# Altium PCB Evaluation Board.PcbDoc (part 20 of 22) (continued)
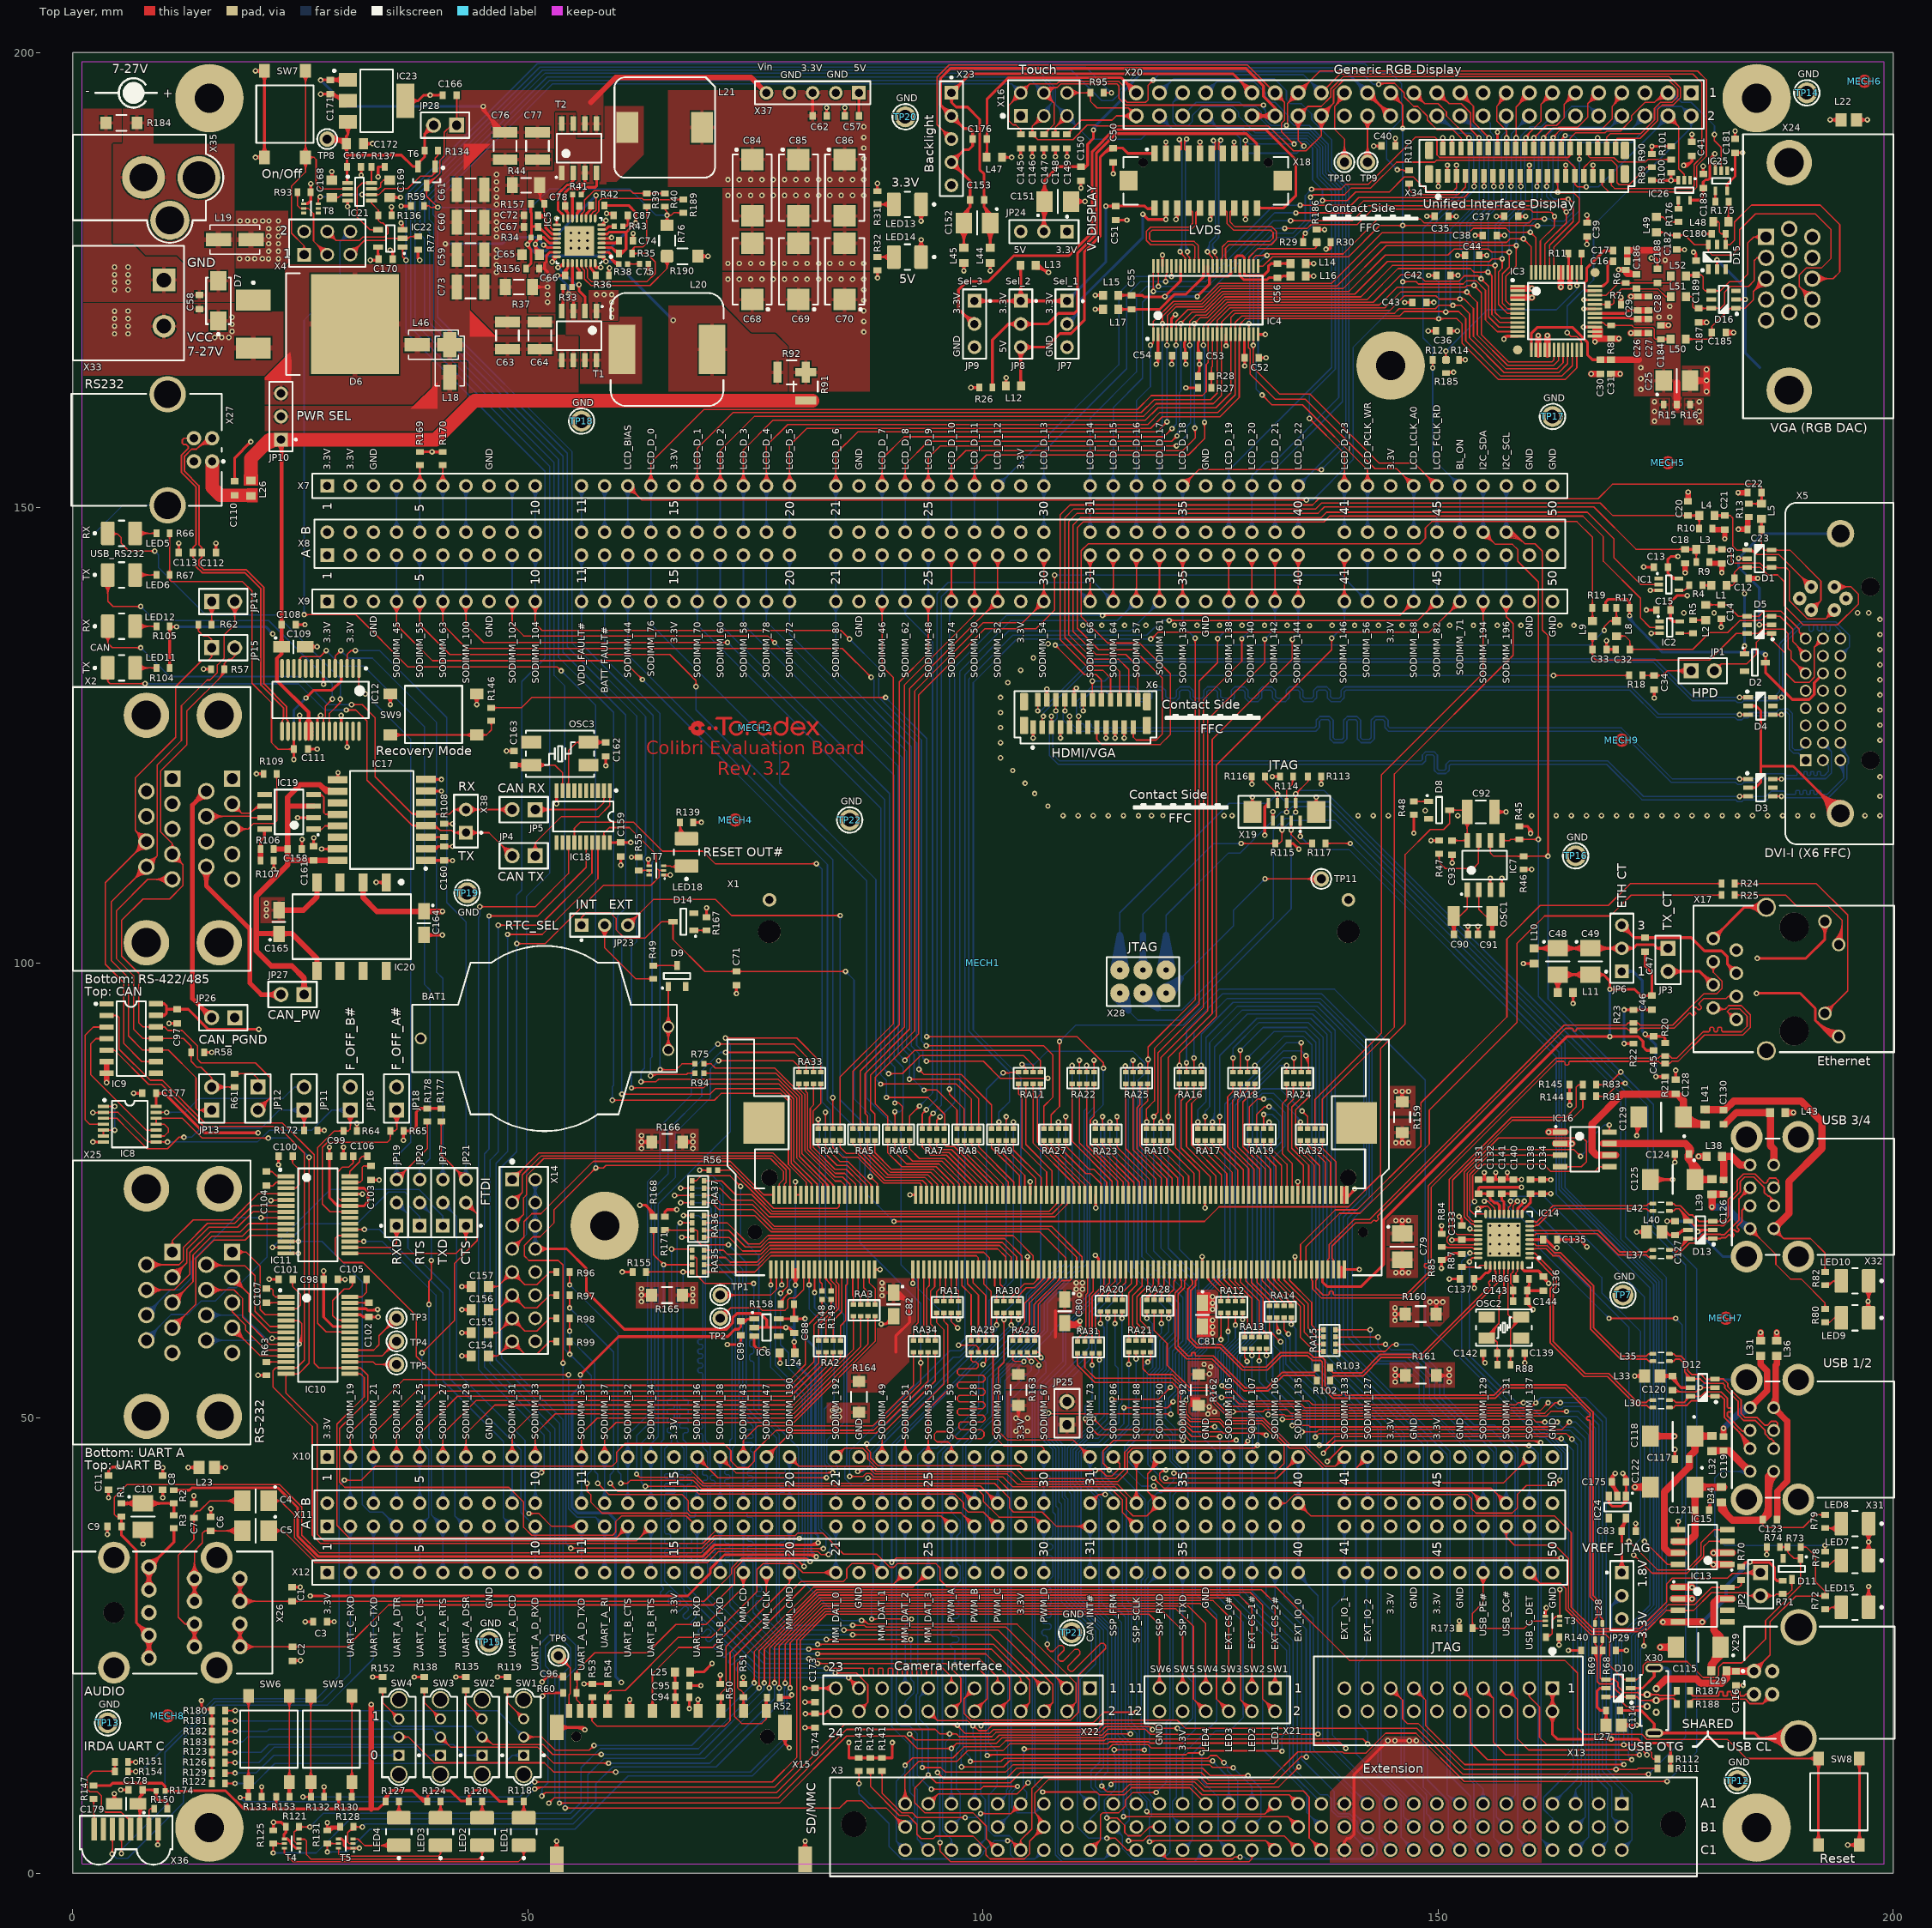
[diagram p0: Top Layer view]
## Nets (pads, with @x,y where several pads share a name; then routed paths per layer and width w, separated by ;. In a path a pad name is that pad's centre, name@x,y a point inside that pad or via, vN(x,y) a via of type N, cw(c..) or ccw(c..) an arc to the next point about the centre after c; other vN are vias at no path point) (continued)
  Top Layer w0.15: v1@5.166,2.309 ccw(c4.741,2.734) 5.342,2.734 ; X36.4@5.183,3.717 cw(c4.799,3.333) 5.342,3.333 cw(c5.885,3.333) X36.4@5.501,3.717 ; v1(5.325,2.15) 5.342,2.167 X36.4@5.342,4.826 ; 5.342,2.652 ccw(c5.827,2.652) v1@5.484,2.309
  Bottom Layer w0.15: v1@5.196,2.334 ccw(c5.022,2.583) 5.325,2.583 ; v1(5.325,2.15) 5.325,2.583 ; v1@5.454,2.334 cw(c5.628,2.583) 5.325,2.583 ; X12.2@30.003,32.543 cw(c28.85,31.39) 30.48,31.39 cw(c32.11,31.39) X12.2@30.957,32.543 ; X12.2@30.003,33.497 ccw(c28.85,34.65) 30.48,34.65 ccw(c32.11,34.65) X12.2@30.957,33.497 ; X11.A2@30.003,37.623 cw(c28.85,36.47) 30.48,36.47 cw(c32.11,36.47) X11.A2@30.957,37.623 ; X12.2@30.109,32.649 cw(c29.213,31.753) 30.48,31.753 cw(c31.747,31.753) X12.2@30.851,32.649 ; X12.2@30.109,33.391 ccw(c29.213,34.287) 30.48,34.287 ccw(c31.747,34.287) X12.2@30.851,33.391 ; X11.A2@30.109,37.729 cw(c29.213,36.833) 30.48,36.833 cw(c31.747,36.833) X11.A2@30.851,37.729 ; X12.2@30.215,32.755 cw(c29.575,32.115) 30.48,32.115 cw(c31.385,32.115) X12.2@30.745,32.755 ; X12.2@30.215,33.285 ccw(c29.575,33.925) 30.48,33.925 ccw(c31.385,33.925) X12.2@30.745,33.285 ; X11.A2@30.215,37.835 cw(c29.575,37.195) 30.48,37.195 cw(c31.385,37.195) X11.A2@30.745,37.835 ; X11.A2@30.48,38.1 X12.2@30.48,33.02 30.48,21.98 27.35,18.85 15.675,18.85 10.1,13.275 10.1,7.358 5.325,2.583
UART_C_TXD: X11.A3 X12.3 X36.3 | length 79.9
  Top Layer w0.15: v1@4.141,2.259 ccw(c3.655,2.745) 4.342,2.745 ; X36.3@4.183,3.717 cw(c3.799,3.333) 4.342,3.333 cw(c4.885,3.333) X36.3@4.501,3.717 ; v1(4.3,2.1) 4.342,2.142 X36.3@4.342,4.826 ; 4.342,2.542 ccw(c4.742,2.542) v1@4.459,2.259
  Bottom Layer w0.15: v1@4.3,1.875 cw(c4.3,1.332) 4.684,1.716 cw(c5.068,2.1) v1@4.525,2.1 ; v1(4.3,2.1) 4.775,1.625 6.004,1.625 12.125,7.746 12.125,14.801 15.799,18.475 27.95,18.475 33.02,23.545 X12.3@33.02,33.02 X11.A3@33.02,38.1 ; X12.3@32.543,32.543 cw(c31.39,31.39) 33.02,31.39 cw(c34.65,31.39) X12.3@33.497,32.543 ; X12.3@32.543,33.497 ccw(c31.39,34.65) 33.02,34.65 ccw(c34.65,34.65) X12.3@33.497,33.497 ; X11.A3@32.543,37.623 cw(c31.39,36.47) 33.02,36.47 cw(c34.65,36.47) X11.A3@33.497,37.623 ; X12.3@32.649,32.649 cw(c31.753,31.753) 33.02,31.753 cw(c34.287,31.753) X12.3@33.391,32.649 ; X12.3@32.649,33.391 ccw(c31.753,34.287) 33.02,34.287 ccw(c34.287,34.287) X12.3@33.391,33.391 ; X11.A3@32.649,37.729 cw(c31.753,36.833) 33.02,36.833 cw(c34.287,36.833) X11.A3@33.391,37.729 ; X12.3@32.755,32.755 cw(c32.115,32.115) 33.02,32.115 cw(c33.925,32.115) X12.3@33.285,32.755 ; X12.3@32.755,33.285 ccw(c32.115,33.925) 33.02,33.925 ccw(c33.925,33.925) X12.3@33.285,33.285 ; X11.A3@32.755,37.835 cw(c32.115,37.195) 33.02,37.195 cw(c33.925,37.195) X11.A3@33.285,37.835
UART_U_DCD: IC10.19 TP3.1 | length 14.9
  Top Layer w0.15: IC10.19@30.419,57.456 33.047,57.456 33.63,58.039 33.63,59.03 TP3.1@35.56,60.96 ; IC10.19@31.225,57.35 cw(c31.481,57.094) 31.481,57.456 cw(c31.481,57.818) IC10.19@31.225,57.562 ; TP3.1@34.785,60.96 cw(c32.914,60.96) 34.237,59.637 cw(c35.56,58.314) TP3.1@35.56,60.185 ; TP3.1@34.935,60.96 cw(c33.426,60.96) 34.493,59.893 cw(c35.56,58.826) TP3.1@35.56,60.335 ; TP3.1@35.085,60.96 cw(c33.938,60.96) 34.749,60.149 cw(c35.56,59.338) TP3.1@35.56,60.485
UART_U_DSR: IC10.17 TP5.1 | length 12.9
  Top Layer w0.15: IC10.17@30.419,56.156 32.998,56.156 33.274,55.88 TP5.1@35.56,55.88 ; IC10.17@31.225,56.05 cw(c31.481,55.794) 31.481,56.156 cw(c31.481,56.518) IC10.17@31.225,56.262 ; TP5.1@35.012,55.332 ccw(c33.689,54.009) 33.689,55.88 ccw(c33.689,57.751) TP5.1@35.012,56.428 ; TP5.1@35.118,55.438 ccw(c34.051,54.371) 34.051,55.88 ccw(c34.051,57.389) TP5.1@35.118,56.322 ; TP5.1@35.224,55.544 ccw(c34.413,54.733) 34.413,55.88 ccw(c34.413,57.027) TP5.1@35.224,56.216
UART_U_RI: IC10.18 TP4.1 | length 13.5
  Top Layer w0.15: IC10.18@30.419,56.806 33.946,56.806 TP4.1@35.56,58.42 ; IC10.18@31.225,56.7 cw(c31.481,56.444) 31.481,56.806 cw(c31.481,57.168) IC10.18@31.225,56.912 ; TP4.1@34.785,58.42 cw(c32.914,58.42) 34.237,57.097 cw(c35.56,55.774) TP4.1@35.56,57.645 ; TP4.1@34.935,58.42 cw(c33.426,58.42) 34.493,57.353 cw(c35.56,56.286) TP4.1@35.56,57.795 ; TP4.1@35.085,58.42 cw(c33.938,58.42) 34.749,57.609 cw(c35.56,56.798) TP4.1@35.56,57.945
UART_USB_CTS: IC12.3 JP21.3 R177.1 | length 89.8
  Top Layer w0.15: IC12.3@30.037,133.285 ccw(c29.824,133.498) 30.125,133.498 ccw(c30.427,133.498) IC12.3@30.214,133.285 ; IC12.3@30.125,132.346 30.125,133.884 30.554,134.313 ; v1@30.867,134.167 ccw(c30.554,133.902) 30.554,134.313 ; v1@30.867,134.458 cw(c30.554,134.723) 30.554,134.313 ; v1(31.039,134.313) 30.554,134.313 ; R177.1@40.285,82.385 cw(c39.859,81.958) 40.462,81.958 cw(c41.066,81.958) R177.1@40.639,82.385 ; R177.1@40.462,82.562 40.462,78.918 JP21.3@43.18,76.2 ; JP21.3@42.505,76.2 ccw(c40.875,76.2) 42.028,77.352 ccw(c43.18,78.505) JP21.3@43.18,76.875 ; JP21.3@42.655,76.2 ccw(c41.388,76.2) 42.284,77.096 ccw(c43.18,77.992) JP21.3@43.18,76.725 ; JP21.3@42.805,76.2 ccw(c41.9,76.2) 42.54,76.84 ccw(c43.18,77.48) JP21.3@43.18,76.575
  Bottom Layer w0.15: v1(31.039,134.313) 33.708,134.313 41.072,126.949 41.072,106.629 43.18,104.521 JP21.3@43.18,76.2 ; v1@31.198,134.153 cw(c31.582,133.769) 31.582,134.313 cw(c31.582,134.856) v1@31.198,134.472 ; JP21.3@42.703,76.677 ccw(c41.55,77.83) 43.18,77.83 ccw(c44.81,77.83) JP21.3@43.657,76.677 ; JP21.3@42.809,76.571 ccw(c41.913,77.467) 43.18,77.467 ccw(c44.447,77.467) JP21.3@43.551,76.571 ; JP21.3@42.915,76.465 ccw(c42.275,77.105) 43.18,77.105 ccw(c44.085,77.105) JP21.3@43.445,76.465
UART_USB_LED_RX: IC12.23 LED5.K | length 45.1
  Top Layer w0.15: LED5.K@3.834,147.187 3.896,147.125 4.9,147.125 ; LED5.K@4.288,146.923 cw(c4.639,146.719) 4.639,147.125 ; LED5.K@4.325,147.372 ccw(c4.683,147.507) 4.683,147.125 ; LED5.K@4.417,146.847 cw(c4.9,146.567) 4.9,147.125 ; LED5.K@4.465,147.425 ccw(c4.9,147.589) 4.9,147.125 ; v1@8.833,145.078 ccw(c8.448,144.694) 8.448,145.237 ccw(c8.448,145.78) v1@8.833,145.396 ; v1(8.992,145.237) 6.163,145.237 5.3,146.1 5.3,146.725 4.9,147.125 ; IC12.23@28.087,126.385 ccw(c27.874,126.598) 28.175,126.598 ccw(c28.477,126.598) IC12.23@28.264,126.385 ; IC12.23@28.175,125.446 28.175,127.4 29.375,128.6 ; v2@29.269,128.776 cw(c29.175,128.6) 29.375,128.6 ; v2(29.375,128.975) 29.375,128.6 ; v2@29.481,128.776 ccw(c29.575,128.6) 29.375,128.6
  Bottom Layer w0.15: v1@8.992,145.012 cw(c8.992,144.469) 9.376,144.853 cw(c9.76,145.237) v1@9.217,145.237 ; v1(8.992,145.237) 9.398,144.831 9.398,143.427 14.625,138.2 22.4,138.2 29.375,131.225 v2(29.375,128.975) ; v2@29.216,129.134 ccw(c28.832,129.518) 29.375,129.518 ccw(c29.918,129.518) v2@29.534,129.134
UART_USB_LED_TX: IC12.22 LED6.K | length 46.8
  Top Layer w0.15: LED6.K@3.357,141.588 cw(c2.204,140.435) 3.834,140.435 cw(c5.464,140.435) LED6.K@4.311,141.588 ; LED6.K@3.463,141.694 cw(c2.566,140.797) 3.834,140.797 cw(c5.101,140.797) LED6.K@4.205,141.694 ; LED6.K@3.569,141.8 cw(c2.929,141.159) 3.834,141.159 cw(c4.739,141.16) LED6.K@4.099,141.8 ; LED6.K@3.834,142.615 3.834,139.716 4.4,139.15 v1(7.45,139.15) ; v1@7.291,138.991 ccw(c6.907,138.607) 6.907,139.15 ccw(c6.907,139.693) v1@7.291,139.309 ; IC12.22@27.437,126.385 ccw(c27.224,126.598) 27.525,126.598 ccw(c27.827,126.598) IC12.22@27.614,126.385 ; IC12.22@27.525,125.446 27.525,126.752 27.751,126.977 27.751,128.226 v2(28.5,128.975) ; v2@28.275,128.975 cw(c27.732,128.975) 28.116,128.591 cw(c28.5,128.207) v2@28.5,128.75
  Bottom Layer w0.15: v1@7.45,138.925 cw(c7.45,138.382) 7.834,138.766 cw(c8.218,139.15) v1@7.675,139.15 ; v1(7.45,139.15) 9,137.6 21.525,137.6 28.5,130.625 v2(28.5,128.975) ; v2@28.341,129.134 ccw(c27.957,129.518) 28.5,129.518 ccw(c29.043,129.518) v2@28.659,129.134
UART_USB_RTS: IC12.11 JP20.3 | length 74.5
  Top Layer w0.15: IC12.11@24.846,133.293 ccw(c24.711,133.46) 24.925,133.46 ; IC12.11@24.902,133.187 cw(c25.163,133.297) 24.963,133.497 ; IC12.11@24.925,132.346 24.925,133.46 ; IC12.11@25.004,133.293 cw(c25.14,133.46) 24.925,133.46 ; IC12.11@25.041,133.245 cw(c25.385,133.391) 25.121,133.655 ; v1@27.602,134.313 cw(c27.059,134.313) 27.443,133.928 cw(c27.827,133.544) v1@27.827,134.088 ; v1(27.827,134.313) 27.169,133.655 25.121,133.655 ; 24.925,133.46 25.121,133.655
  Bottom Layer w0.15: v1@27.827,134.088 cw(c27.827,133.544) 28.211,133.928 cw(c28.595,134.313) v1@28.052,134.313 ; v1(27.827,134.313) 29.552,132.588 31.973,132.588 38.608,125.953 38.608,97.663 39.243,97.028 39.243,78.511 38.1,77.368 ; JP20.3@37.763,76.785 ccw(c37.426,77.368) 38.1,77.368 ; JP20.3@37.838,76.655 ccw(c37.576,77.109) 38.1,77.109 ccw(c38.624,77.109) JP20.3@38.362,76.655 ; JP20.3@38.1,76.2 38.1,77.368 ; JP20.3@38.437,76.785 cw(c38.774,77.368) 38.1,77.368
UART_USB_RXD: IC12.1 JP19.3 R178.1 | length 82
  Top Layer w0.15: IC12.1@31.337,131.408 cw(c31.124,131.195) 31.425,131.195 cw(c31.727,131.195) IC12.1@31.514,131.408 ; IC12.1@31.425,132.346 31.425,130.25 v2(32.125,129.55) ; v2@31.9,129.55 ccw(c31.357,129.55) 31.741,129.934 ccw(c32.125,130.318) v2@32.125,129.775 ; JP19.3@35.56,76.2 38.938,79.578 R178.1@38.938,82.562 ; JP19.3@35.56,76.575 ccw(c35.56,77.48) 36.2,76.84 ccw(c36.84,76.2) JP19.3@35.935,76.2 ; JP19.3@35.56,76.725 ccw(c35.56,77.992) 36.456,77.096 ccw(c37.352,76.2) JP19.3@36.085,76.2 ; JP19.3@35.56,76.875 ccw(c35.56,78.505) 36.712,77.352 ccw(c37.865,76.2) JP19.3@36.235,76.2 ; R178.1@38.761,82.385 cw(c38.335,81.958) 38.938,81.958 cw(c39.542,81.958) R178.1@39.115,82.385
  Bottom Layer w0.15: v2@32.125,129.325 cw(c32.125,128.775) 32.514,129.164 ; v2@32.128,129.55 37.116,124.562 37.116,80.296 35.56,78.74 JP19.3@35.56,76.2 ; v2@32.35,129.55 ccw(c32.886,129.55) 32.507,129.171 ; JP19.3@35.083,76.677 ccw(c33.93,77.83) 35.56,77.83 ccw(c37.19,77.83) JP19.3@36.037,76.677 ; JP19.3@35.189,76.571 ccw(c34.293,77.467) 35.56,77.467 ccw(c36.827,77.467) JP19.3@35.931,76.571 ; JP19.3@35.295,76.465 ccw(c34.655,77.105) 35.56,77.105 ccw(c36.465,77.105) JP19.3@35.825,76.465
UART_USB_TXD: IC12.5 JP17.3 | length 74.7
  Top Layer w0.15: IC12.5@28.737,133.285 ccw(c28.524,133.498) 28.825,133.498 ccw(c29.127,133.498) IC12.5@28.914,133.285 ; IC12.5@28.825,132.346 28.825,133.705 v1(29.433,134.313) ; v1@29.208,134.313 cw(c28.665,134.313) 29.049,133.928 cw(c29.433,133.544) v1@29.433,134.088
  Bottom Layer w0.15: v1@29.433,134.088 cw(c29.433,133.544) 29.817,133.928 cw(c30.201,134.313) v1@29.658,134.313 ; v1(29.433,134.313) 30.268,133.477 32.893,133.477 39.961,126.409 39.961,98.977 40.64,98.298 JP17.3@40.64,76.2 ; JP17.3@40.163,76.677 ccw(c39.01,77.83) 40.64,77.83 ccw(c42.27,77.83) JP17.3@41.117,76.677 ; JP17.3@40.269,76.571 ccw(c39.373,77.467) 40.64,77.467 ccw(c41.907,77.467) JP17.3@41.011,76.571 ; JP17.3@40.375,76.465 ccw(c39.735,77.105) 40.64,77.105 ccw(c41.545,77.105) JP17.3@40.905,76.465
USB1_C_N: D12.1 L30.3 X31.U2 | length 23.4
  Top Layer w0.178: L30.3@175.398,51.162 175.87,51.162 176.104,51.397 177.347,51.397 177.851,51.901 178.839,51.901 178.845,51.895 179.339,52.39 D12.1@180.42,52.39 181.112,52.39 181.432,52.07 181.432,50.104 184.27,47.266 X31.U2@184.27,46.636 ; L30.3@175.649,51.076 cw(c175.855,50.87) 175.855,51.162 cw(c175.855,51.454) L30.3@175.649,51.248 ; D12.1@180.031,52.276 ccw(c179.756,52.001) 179.756,52.39 ccw(c179.756,52.779) D12.1@180.031,52.504 ; D12.1@180.809,52.276 cw(c181.084,52.001) 181.084,52.39 cw(c181.084,52.779) D12.1@180.809,52.504 ; 182.781,48.755 cw(c180.662,46.636) X31.U2@183.659,46.636 ; 183.085,48.452 cw(c181.269,46.636) X31.U2@183.837,46.636 ; 183.388,48.148 cw(c181.876,46.636) X31.U2@184.015,46.636 ; 183.692,47.845 cw(c182.483,46.636) X31.U2@184.192,46.636 ; 183.995,47.541 cw(c183.09,46.636) X31.U2@184.37,46.636
USB1_C_P: D12.6 L30.4 X31.U3 | length 16.1
  Top Layer w0.15: 179.738,52.865 181.051,52.865
  Top Layer w0.178: L30.4@175.398,51.962 175.87,51.962 176.104,51.727 177.057,51.727 ; L30.4@175.649,51.876 cw(c175.855,51.67) 175.855,51.962 cw(c175.855,52.254) L30.4@175.649,52.048 ; D12.6@177.285,52.373 cw(c176.496,52.288) 177.057,51.727 ; 177.32,51.99 ccw(c176.971,52.339) D12.6@177.462,52.392 ; D12.6@178.109,52.276 cw(c178.384,52.001) 178.384,52.39 cw(c178.384,52.779) D12.6@178.109,52.504 ; 179.738,52.865 179.347,52.865 178.872,52.39 D12.6@177.72,52.39 177.057,51.727 ; 181.051,52.857 181.112,52.857 181.762,52.207 181.762,51.988 181.762,51.55 181.762,51.222 181.872,51.112 182.129,51.112 182.238,51.003 182.238,50.784 182.129,50.674 181.872,50.674 181.762,50.565 181.762,50.241 181.917,50.086 ; 181.794,50.209 183.464,48.539 ; X31.U3@183.664,48.715 cw(c183.464,48.741) 183.464,48.539 ; X31.U3@183.716,48.379 ccw(c183.464,48.262) 183.464,48.539 ; X31.U3@184.27,48.636 184.174,48.539 183.464,48.539
USB1_EN: IC14.12 IC15.3 | length 64.6
  Top Layer w0.15: IC14.12@158.174,72.798 ccw(c157.992,72.98) 158.25,72.98 ; IC14.12@158.227,72.42 158.25,72.442 158.25,73.35 158.7,73.8 v1(158.7,73.825) ; 158.298,73.398 ccw(c157.871,73.825) v1@158.475,73.825 ; 158.359,73.459 cw(c158.7,73.117) v1@158.7,73.6 ; v1@171.475,34.725 cw(c171.475,34.121) 171.902,34.548 ; v1@171.5,34.95 173.5,32.95 177.349,32.95 179.175,34.776 179.175,35.875 179.749,36.449 IC15.3@181.77,36.449 ; v1@171.7,34.95 ccw(c172.183,34.95) 171.841,34.609 ; IC15.3@181.111,36.29 ccw(c180.727,35.906) 180.727,36.449 ccw(c180.727,36.992) IC15.3@181.111,36.608
  Bottom Layer w0.15: v1@158.7,73.6 cw(c158.7,73.057) 159.084,73.441 cw(c159.468,73.825) v1@158.925,73.825 ; v1(158.7,73.825) 159.35,73.175 160.225,73.175 167.978,65.422 167.978,63.758 172.25,59.485 172.25,36.775 171.475,36 v1(171.475,34.95) ; v1@171.316,35.109 ccw(c170.932,35.493) 171.475,35.493 ccw(c172.018,35.493) v1@171.634,35.109
USB1_N: IC14.1 L30.2 | length 25.7
  Top Layer w0.178: IC14.1@160.052,67.595 160.057,67.6 160.635,67.6 162.672,65.563 162.672,64.58 162.331,64.24 162.331,58.242 166.014,54.559 168.605,54.559 171.767,51.397 172.892,51.397 173.126,51.162 L30.2@173.598,51.162 ; IC14.1@160.421,67.551 cw(c160.537,67.435) 160.537,67.6 ; L30.2@173.347,51.076 ccw(c173.141,50.87) 173.141,51.162 ccw(c173.141,51.454) L30.2@173.347,51.248
USB1_OC#: IC14.13 IC15.8 | length 57.1
  Top Layer w0.15: IC14.13@157.674,72.798 ccw(c157.546,72.926) 157.727,72.926 ccw(c157.908,72.926) IC14.13@157.78,72.798 ; IC14.13@157.727,72.42 157.727,73.127 157.95,73.35 ; v1@157.807,73.651 cw(c157.561,73.35) 157.95,73.35 ; v1(157.95,73.825) 157.95,73.35 ; v1@158.093,73.651 ccw(c158.339,73.35) 157.95,73.35 ; v1@172.675,36.225 cw(c172.675,35.682) 173.059,36.066 cw(c173.443,36.45) v1@172.9,36.45 ; v1(172.675,36.45) 175.216,33.909 IC15.8@176.37,33.909 ; IC15.8@175.711,33.75 ccw(c175.327,33.366) 175.327,33.909 ccw(c175.327,34.452) IC15.8@175.711,34.068
  Bottom Layer w0.15: v1@157.95,73.698 v1(157.95,73.825) 157.958,73.825 158.483,74.35 161.6,74.35 172.675,63.275 v1(172.675,36.45) ; v1@157.95,74.05 ccw(c157.95,74.611) 158.347,74.214 ; v1@158.175,73.825 cw(c158.7,73.825) 158.329,74.196 ; v1@172.516,36.609 ccw(c172.132,36.993) 172.675,36.993 ; 172.675,36.993 ccw(c173.218,36.993) v1@172.834,36.609
USB1_P: IC14.2 L30.1 | length 25.7
  Top Layer w0.178: IC14.2@160.052,68.095 160.63,68.095 163.002,65.722 163.002,64.443 162.662,64.103 162.662,58.379 166.151,54.889 168.742,54.889 171.904,51.727 172.892,51.727 173.126,51.962 L30.1@173.598,51.962 ; L30.1@173.347,51.876 ccw(c173.141,51.67) 173.141,51.962 ccw(c173.141,52.254) L30.1@173.347,52.048
USB2_C_N: D12.4 L35.3 X31.L2 | length 21.9
  Top Layer w0.15: 179.738,53.815 181.289,53.815
  Top Layer w0.178: L35.3@175.398,56.242 175.87,56.242 176.104,56.477 176.517,56.477 177.089,55.905 177.089,55.118 177.089,55.08 ; L35.3@175.649,56.156 cw(c175.855,55.95) 175.855,56.242 cw(c175.855,56.534) L35.3@175.649,56.328 ; D12.4@177.289,54.332 ccw(c176.541,54.532) 177.089,55.08 ; 177.307,54.862 cw(c176.885,54.44) D12.4@177.461,54.286 ; 177.524,54.644 cw(c177.228,54.348) D12.4@177.633,54.24 ; D12.4@177.72,54.449 177.089,55.08 ; D12.4@177.742,54.426 cw(c177.572,54.256) D12.4@177.805,54.194 ; D12.4@177.879,54.449 D12.4@177.72,54.29 178.806,54.29 179.281,53.815 179.738,53.815 ; D12.4@178.109,54.176 cw(c178.384,53.901) 178.384,54.29 cw(c178.384,54.679) D12.4@178.109,54.404 ; 181.289,53.815 181.495,53.609 181.495,53.305 182.956,51.844 182.956,50.352 183.583,49.725 184.844,49.725 185.931,48.638 185.931,48.247 186.481,47.697 186.623,47.697 186.87,47.45 ; X31.L2@186.7,47.223 ccw(c186.634,47.45) 186.87,47.45 ; X31.L2@186.87,46.636 186.87,47.45 ; X31.L2@187.04,47.223 cw(c187.106,47.45) 186.87,47.45
USB2_C_P: D12.3 L35.4 X31.L3 | length 19.7
  Top Layer w0.178: L35.4@175.398,57.042 175.87,57.042 176.104,56.807 176.654,56.807 177.419,56.042 177.419,55.217 177.857,54.779 178.876,54.779 179.4,54.254 180.384,54.254 D12.3@180.42,54.29 181.346,54.29 181.825,53.811 181.825,53.442 183.286,51.981 183.286,50.489 183.72,50.055 185.047,50.055 185.902,49.2 186.175,49.2 186.625,49.65 187.075,49.65 187.275,49.45 187.275,49.041 X31.L3@186.87,48.636 ; L35.4@175.649,56.956 cw(c175.855,56.75) 175.855,57.042 cw(c175.855,57.334) L35.4@175.649,57.128 ; 179.67,54.254 ccw(c179.67,54.765) D12.3@180.031,54.404 ; 179.842,54.254 cw(c179.842,53.987) D12.3@180.031,54.176 ; D12.3@180.809,54.176 cw(c181.084,53.901) 181.084,54.29 cw(c181.084,54.679) D12.3@180.809,54.404
USB2_EN: IC14.16 IC15.4 | length 66.9
  Top Layer w0.15: v1(155.067,73.812) 155.448,73.812 ; v1@155.264,73.704 cw(c155.448,73.602) 155.448,73.812 ; v1@155.264,73.921 ccw(c155.448,74.022) 155.448,73.812 ; IC14.16@156.174,72.798 ccw(c156.046,72.926) 156.227,72.926 ccw(c156.408,72.926) IC14.16@156.28,72.798 ; IC14.16@156.227,72.42 156.227,73.033 155.448,73.812 ; v1@170.975,36.225 cw(c170.975,35.682) 171.359,36.066 cw(c171.743,36.45) v1@171.2,36.45 ; v1(170.975,36.45) 174.1,33.325 177.3,33.325 178.875,34.9 178.875,36.3 180.294,37.719 IC15.4@181.77,37.719 ; IC15.4@181.111,37.56 ccw(c180.727,37.176) 180.727,37.719 ccw(c180.727,38.262) IC15.4@181.111,37.878
  Bottom Layer w0.15: v1(155.067,73.812) 157.088,73.812 158.25,72.65 159.6,72.65 162,70.25 162,68.9 170.975,59.925 v1(170.975,36.45) ; v1@155.226,73.653 cw(c155.61,73.269) 155.61,73.812 cw(c155.61,74.356) v1@155.226,73.971 ; v1@170.816,36.609 ccw(c170.432,36.993) 170.975,36.993 ccw(c171.518,36.993) v1@171.134,36.609
USB2_N: IC14.3 L35.2 | length 21.8
  Top Layer w0.178: IC14.3@160.052,68.595 160.63,68.595 160.636,68.602 161.847,68.602 162.611,67.838 163.292,67.838 166.726,64.405 166.726,59.782 170.031,56.477 172.892,56.477 173.126,56.242 L35.2@173.598,56.242 ; L35.2@173.347,56.156 ccw(c173.141,55.95) 173.141,56.242 ccw(c173.141,56.534) L35.2@173.347,56.328
USB2_OC#: IC14.17 IC15.5 | length 63.1
  Top Layer w0.15: v1@154.327,73.054 cw(c154.775,72.651) 154.775,73.254 ; v1(154.383,73.004) 154.385,73.004 154.635,73.254 ; v1@154.438,72.953 cw(c155.112,72.349) 155.112,73.254 ; v1@154.46,73.215 ccw(c154.517,73.372) 154.635,73.254 ; v1@154.55,72.853 cw(c155.448,72.046) 155.448,73.254 ; v1@154.595,73.078 cw(c154.755,73.134) 154.635,73.254 ; IC14.17@155.674,72.798 ccw(c155.546,72.926) 155.727,72.926 ccw(c155.908,72.926) IC14.17@155.78,72.798 ; IC14.17@155.727,72.42 155.727,72.974 155.448,73.254 ; v1(168.775,60.95) v1(176.1,60.95) ; v1@168.934,60.791 cw(c169.318,60.407) 169.318,60.95 cw(c169.318,61.493) v1@168.934,61.109 ; v1@175.941,60.791 ccw(c175.557,60.407) 175.557,60.95 ccw(c175.557,61.493) v1@175.941,61.109 ; IC15.5@176.211,37.878 ccw(c175.827,38.262) 176.37,38.262 ccw(c176.913,38.262) IC15.5@176.529,37.878 ; v1@176.216,38.491 cw(c175.844,38.119) 176.37,38.119 ; IC15.5@176.37,37.719 176.37,38.645 v1(176.375,38.65) ; 176.37,38.095 cw(c176.93,38.095) v1@176.534,38.491 ; 154.635,73.254 155.448,73.254
  Bottom Layer w0.15: v1@154.383,72.779 cw(c154.383,72.235) 154.767,72.619 cw(c155.151,73.004) v1@154.608,73.004 ; v1(154.383,73.004) 155.418,71.968 159.107,71.968 161.008,70.067 161.008,68.717 v1(168.775,60.95) ; v1@168.55,60.95 ccw(c168.007,60.95) 168.391,61.334 ccw(c168.775,61.718) v1@168.775,61.175 ; v1@176.1,60.725 cw(c176.1,60.182) 176.484,60.566 cw(c176.868,60.95) v1@176.325,60.95 ; v1(176.1,60.95) 176.8,60.25 176.8,39.075 v1(176.375,38.65) ; v1@176.375,38.875 ccw(c176.375,39.418) 176.759,39.034 ccw(c177.143,38.65) v1@176.6,38.65
USB2_P: IC14.4 L35.1 | length 21.9
  Top Layer w0.178: IC14.4@160.052,69.095 160.63,69.095 160.793,68.932 161.984,68.932 162.748,68.168 163.429,68.168 167.056,64.541 167.056,59.919 170.167,56.807 172.892,56.807 173.126,57.042 L35.1@173.598,57.042 ; L35.1@173.347,56.956 ccw(c173.141,56.75) 173.141,57.042 ccw(c173.141,57.334) L35.1@173.347,57.128
USB3_C_N: D13.1 L37.3 X32.U2 | length 16.5
  Top Layer w0.178: L37.3@175.398,67.672 175.87,67.672 176.104,67.907 176.298,67.907 177.607,69.215 178.613,69.215 179.111,69.713 D13.1@180.166,69.713 ; L37.3@175.649,67.586 cw(c175.855,67.38) 175.855,67.672 cw(c175.855,67.964) L37.3@175.649,67.758 ; D13.1@179.777,69.599 ccw(c179.502,69.324) 179.502,69.713 ccw(c179.502,70.102) D13.1@179.777,69.827 ; D13.1@180.172,69.707 180.188,69.723 181.051,69.723 ; D13.1@180.555,69.599 cw(c180.855,69.299) 180.855,69.723 ; D13.1@180.555,69.827 ccw(c180.805,70.077) 180.805,69.723 ; 181.051,69.728 181.051,69.723 ; 183.519,72.978 cw(c183.753,72.745) X32.U2@183.976,72.987 ; 183.526,72.986 ccw(c183.206,73.306) X32.U2@183.659,73.306 ; X32.U2@183.856,72.857 ccw(c183.627,72.608) 183.388,72.847 ; X32.U2@184.27,73.306 183.847,73.306 183.388,72.847 ; 181.051,69.723 181.118,69.79 181.569,69.79 181.703,69.924 181.903,70.124 182.036,70.124 182.246,69.915 182.379,69.915 182.513,70.049 182.513,70.182 182.304,70.391 182.304,70.525 182.437,70.659 182.571,70.659 182.78,70.449 182.913,70.449 183.047,70.583 183.047,70.717 182.838,70.926 182.838,71.059 183.232,71.454 183.388,71.609 183.388,72.847
USB3_C_P: D13.6 L37.4 X32.U3 | length 21
  Top Layer w0.15: 179.484,70.188 181.035,70.188 181.044,70.179
  Top Layer w0.178: L37.4@175.398,68.472 175.87,68.472 176.104,68.237 176.162,68.237 177.466,69.541 D13.6@177.466,69.713 178.577,69.713 179.052,70.188 179.484,70.188 ; L37.4@175.649,68.386 cw(c175.855,68.18) 175.855,68.472 cw(c175.855,68.764) L37.4@175.649,68.558 ; 176.6,68.676 ccw(c175.563,69.713) D13.6@177.03,69.713 ; 176.904,68.979 ccw(c176.17,69.713) D13.6@177.208,69.713 ; 177.207,69.283 ccw(c176.777,69.713) D13.6@177.385,69.713 ; D13.6@177.511,69.586 ccw(c177.384,69.713) D13.6@177.563,69.713 ; D13.6@177.855,69.599 cw(c178.13,69.324) 178.13,69.713 cw(c178.13,70.102) D13.6@177.855,69.827 ; 181.044,70.179 181.102,70.12 181.432,70.12 183.058,71.746 183.058,74.094 X32.U3@184.27,75.306 ; X32.U3@183.659,75.306 cw(c182.184,75.306) 183.227,74.263 cw(c184.27,73.22) X32.U3@184.27,74.695 ; X32.U3@183.837,75.306 cw(c182.791,75.306) 183.531,74.566 cw(c184.27,73.827) X32.U3@184.27,74.873
USB3_EN: IC14.18 IC16.3 | length 17.8
  Top Layer w0.15: IC14.18@155.174,72.367 ccw(c155.046,72.239) 155.046,72.42 ccw(c155.046,72.601) IC14.18@155.174,72.473 ; IC14.18@155.227,72.42 153.905,72.42 153.475,72.85 153.475,76.76 155.582,78.867 IC16.3@163.416,78.867 ; IC16.3@162.757,78.708 ccw(c162.373,78.324) 162.373,78.867 ccw(c162.373,79.41) IC16.3@162.757,79.026
USB3_N: IC14.6 L37.2 | length 15.1
  Top Layer w0.178: IC14.6@160.052,70.095 160.63,70.095 160.794,70.26 167.484,70.26 169.837,67.907 172.892,67.907 173.126,67.672 L37.2@173.598,67.672 ; L37.2@173.347,67.586 ccw(c173.141,67.38) 173.141,67.672 ccw(c173.141,67.964) L37.2@173.347,67.758
USB3_OC#: IC14.19 IC16.8 | length 29.5
  Top Layer w0.15: 153.848,71.615 cw(c153.848,71.365) IC14.19@154.024,71.542 ; IC14.19@154.402,71.595 154.382,71.615 153.785,71.615 153.175,72.224 153.175,76.884 155.768,79.477 164.923,79.477 v1(165.65,78.75) ; v1@165.425,78.75 ccw(c164.882,78.75) 165.266,79.134 ccw(c165.65,79.518) v1@165.65,78.975 ; IC16.8@168.657,81.566 ccw(c168.273,81.95) 168.816,81.95 ccw(c169.359,81.95) IC16.8@168.975,81.566 ; v1(168.808,82.194) 168.816,82.187 IC16.8@168.816,81.407
  Bottom Layer w0.15: v1(165.65,78.75) 166.218,79.318 166.218,80.162 168.25,82.194 v1(168.808,82.194) ; v1@165.65,78.975 ccw(c165.65,79.518) 166.034,79.134 ccw(c166.418,78.75) v1@165.875,78.75 ; v1@168.649,82.035 ccw(c168.265,81.651) 168.265,82.194 ccw(c168.265,82.738) v1@168.649,82.353
USB3_P: IC14.7 L37.1 | length 15.1
  Top Layer w0.178: IC14.7@160.052,70.595 160.63,70.595 160.635,70.59 167.621,70.59 169.974,68.237 172.892,68.237 173.126,68.472 L37.1@173.598,68.472 ; L37.1@173.347,68.386 ccw(c173.141,68.18) 173.141,68.472 ccw(c173.141,68.764) L37.1@173.347,68.558
USB4_C_N: D13.4 L42.3 X32.L2 | length 26.1
  Top Layer w0.15: 179.484,71.138 181.044,71.138
  Top Layer w0.178: L42.3@175.398,72.752 175.87,72.752 176.104,72.987 176.466,72.987 ; L42.3@175.649,72.666 cw(c175.855,72.46) 175.855,72.752 cw(c175.855,73.044) L42.3@175.649,72.838 ; 176.767,72.686 cw(c175.704,71.623) D13.4@177.208,71.613 ; D13.4@177.03,71.614 ccw(c175.106,71.627) 176.467,72.987 ; 177.068,72.385 cw(c176.301,71.619) D13.4@177.385,71.612 ; 177.369,72.085 cw(c176.899,71.615) D13.4@177.563,71.61 ; D13.4@177.406,71.762 ccw(c177.337,71.933) 177.521,71.933 ; 177.521,71.87 ccw(c177.723,71.87) D13.4@177.58,71.727 ; D13.4@177.902,71.613 ccw(c178.562,71.613) 178.095,71.146 ; 179.484,71.138 178.104,71.138 177.629,71.613 D13.4@177.466,71.613 177.521,71.667 177.521,71.933 ; 181.044,71.138 181.374,71.138 182.21,71.974 182.21,73.874 183.175,74.839 183.175,75.95 183.704,76.479 184.671,76.479 185.825,75.325 185.825,74.8 186.258,74.367 186.408,74.367 ; X32.L2@186.421,73.72 ccw(c186.078,74.037) 186.408,74.367 ; 186.539,74.236 cw(c186.214,73.911) X32.L2@186.552,73.6 ; 186.67,74.105 cw(c186.35,73.786) X32.L2@186.682,73.479 ; X32.L2@186.87,73.306 186.87,73.905 186.408,74.367 ; 176.466,72.987 177.521,71.933
USB4_C_P: D13.3 L42.4 X32.L3 | length 20.2
  Top Layer w0.178: L42.4@175.398,73.552 175.87,73.552 176.104,73.317 176.603,73.317 177.622,72.298 177.943,72.298 178.628,71.613 D13.3@180.166,71.613 181.382,71.613 181.88,72.111 181.88,74.011 182.845,74.976 182.845,76.087 183.568,76.81 184.807,76.81 185.798,75.819 186.03,75.819 186.207,75.997 186.207,76.149 186.411,76.352 187.104,76.352 187.401,76.055 187.401,75.837 X32.L3@186.87,75.306 ; L42.4@175.649,73.466 cw(c175.855,73.26) 175.855,73.552 cw(c175.855,73.844) L42.4@175.649,73.638 ; D13.3@179.777,71.499 ccw(c179.502,71.224) 179.502,71.613 ccw(c179.502,72.002) D13.3@179.777,71.727 ; D13.3@180.555,71.499 cw(c180.83,71.224) 180.83,71.613 cw(c180.83,72.002) D13.3@180.555,71.727
USB4_EN: IC14.20 IC16.4 | length 28.4
  Top Layer w0.15: 153.898,71.244 ccw(c154.077,71.424) IC14.20@154.077,71.17 ; IC14.20@154.402,71.095 154.047,71.095 153.827,71.315 153.661,71.315 152.875,72.1 152.875,77.008 156.629,80.762 165.903,80.762 166.285,80.38 166.285,78.147 165.735,77.597 IC16.4@163.416,77.597 ; IC16.4@164.075,77.438 cw(c164.459,77.054) 164.459,77.597 cw(c164.459,78.14) IC16.4@164.075,77.756
USB4_N: IC14.8 L42.2 | length 14.9
  Top Layer w0.178: IC14.8@160.052,71.095 160.63,71.095 160.715,71.18 160.969,71.18 162.776,72.987 172.892,72.987 173.126,72.752 L42.2@173.598,72.752 ; L42.2@173.347,72.666 ccw(c173.141,72.46) 173.141,72.752 ccw(c173.141,73.044) L42.2@173.347,72.838
USB4_OC#: IC14.21 IC16.5 | length 26.8
  Top Layer w0.15: v1@153.416,70.764 153.543,70.764 153.713,70.595 IC14.21@154.402,70.595 ; v1@153.435,70.741 ccw(c153.752,71.012) 153.752,70.595 ; v1@153.801,73.891 ccw(c153.715,73.936) 153.783,74.004 ; v1@153.896,73.987 cw(c153.852,74.072) 153.783,74.004 ; v1(154,73.787) 153.783,74.004 ; IC14.21@154.024,70.542 ccw(c153.896,70.414) 153.896,70.595 ccw(c153.896,70.776) IC14.21@154.024,70.648 ; IC16.5@168.157,77.438 ccw(c167.773,77.054) 167.773,77.597 ccw(c167.773,78.14) IC16.5@168.157,77.756 ; IC16.5@168.816,77.597 167.716,77.597 167.191,77.072 162.391,77.072 161.561,77.902 155.041,77.902 153.783,76.644 153.783,74.004
  Bottom Layer w0.15: v1@153.333,70.949 ccw(c152.949,71.333) 153.492,71.333 ccw(c154.035,71.333) v1@153.651,70.949 ; v1(153.492,70.79) 153.492,73.279 v1(154,73.787) ; v1@153.775,73.787 cw(c153.232,73.787) 153.616,73.403 cw(c154,73.019) v1@154,73.562
USB4_P: IC14.9 L42.1 | length 14.9
  Top Layer w0.178: IC14.9@160.052,71.595 160.63,71.595 160.715,71.51 160.832,71.51 162.639,73.317 172.892,73.317 173.126,73.552 L42.1@173.598,73.552 ; L42.1@173.347,73.466 ccw(c173.141,73.26) 173.141,73.552 ccw(c173.141,73.844) L42.1@173.347,73.638